# Altium PCB MatrixLantern.PcbDoc (part 2 of 2)
Units mm, origin at the board's own origin, x right, y up, seen from the top; angles counter-clockwise.
Board outline 100 x 100 mm, 2 copper layers (Top Layer, Bottom Layer); 106 components, 79 nets, 554 pads, 391 vias.
Unrouted connection lines stored in the file: 95.
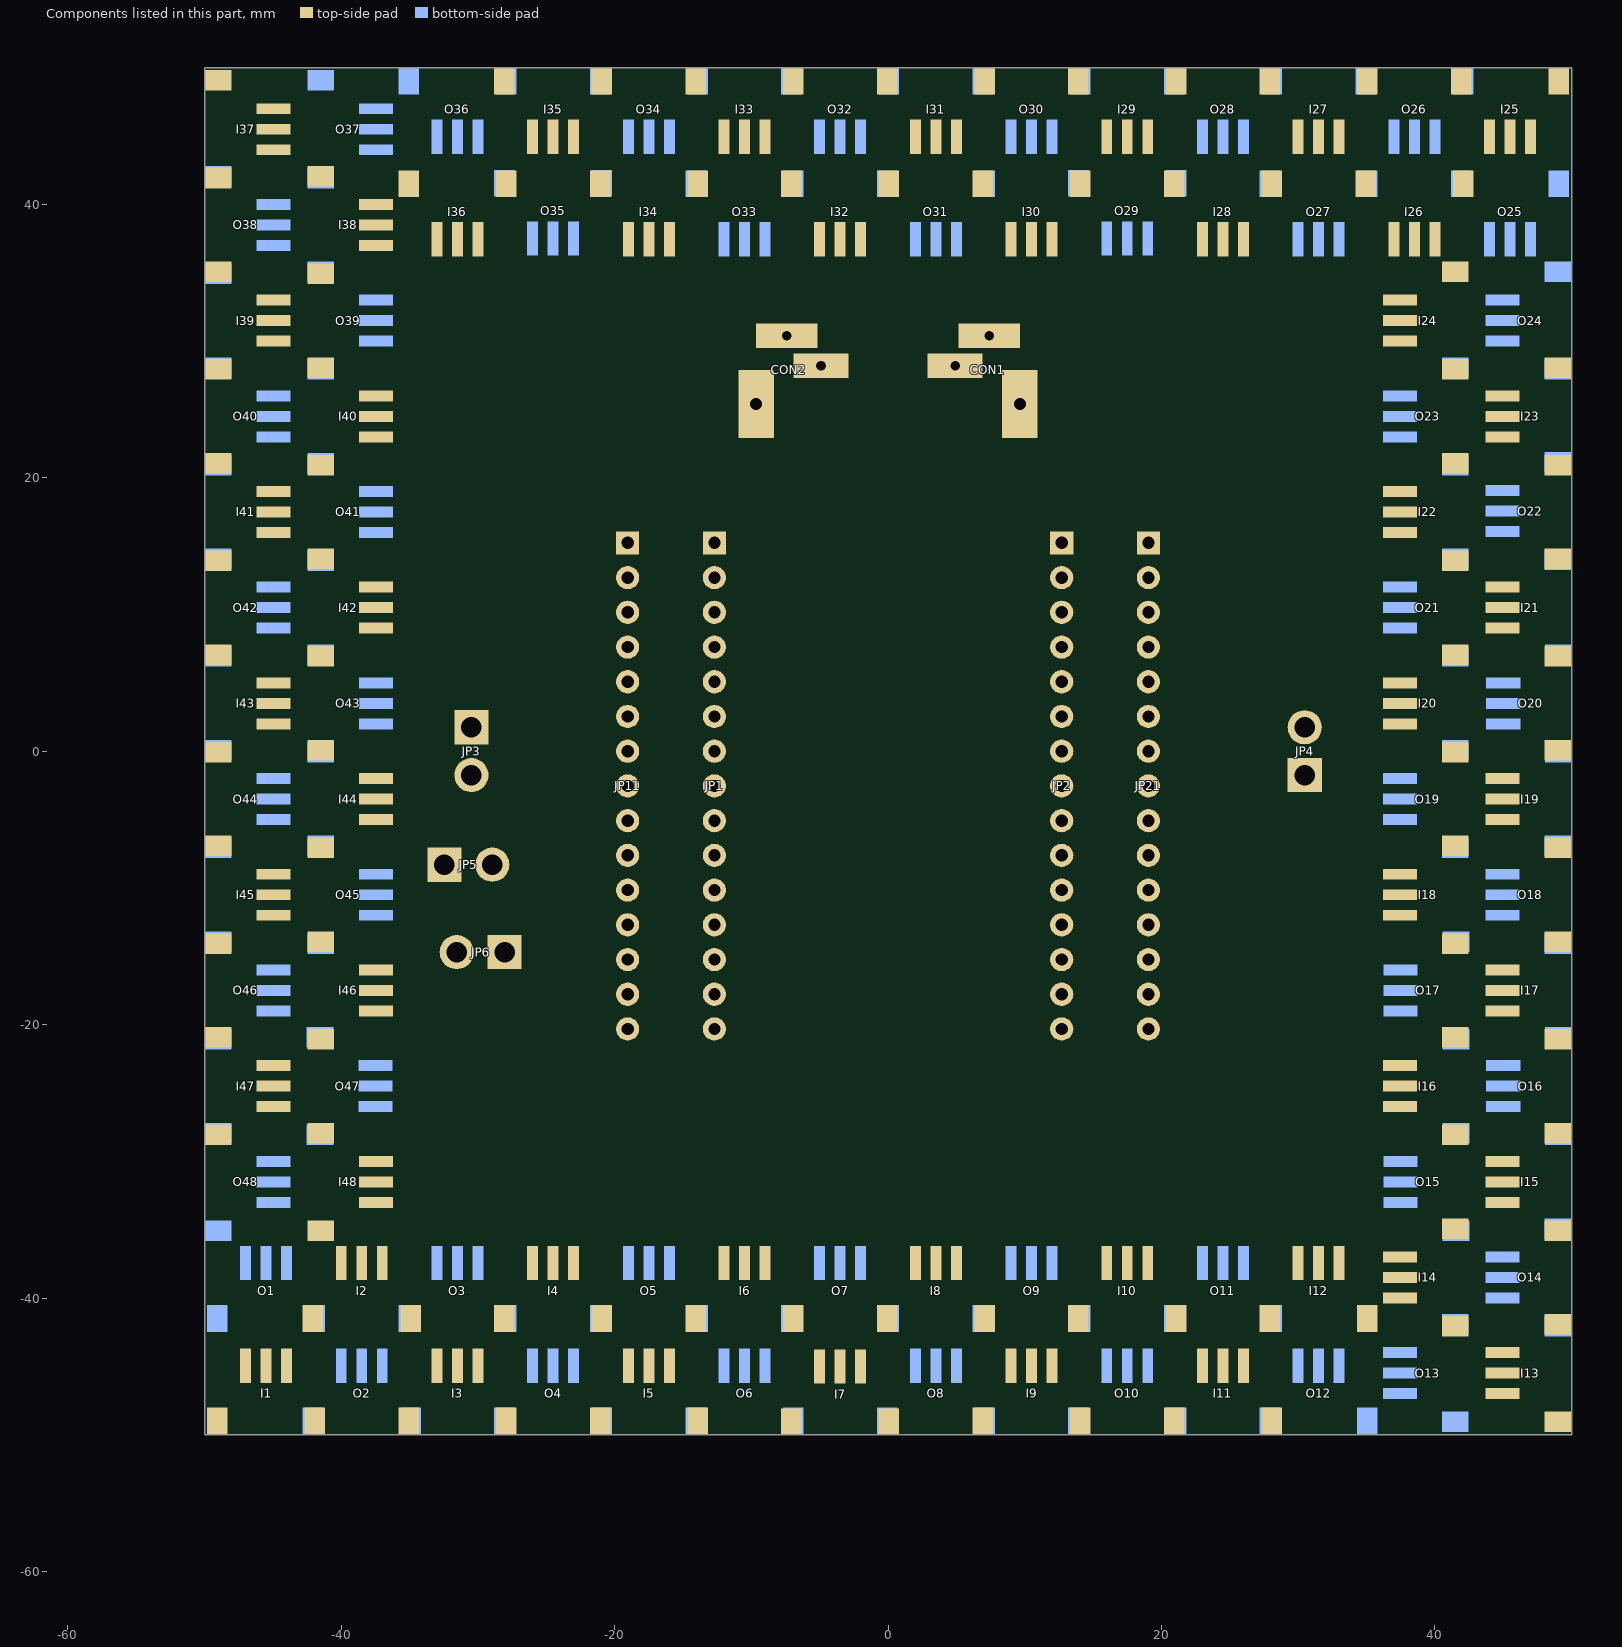
[diagram p2: the components of this part, seen from the top]

## Polygon pours and split planes (outlines as drawn) (continued)
Vin on Bottom Layer "Bottom Layer-Vin 48" (solid, pour order 580): 43.7,-25.2 46.2,-25.2 47.7,-26.7 47.7,-28.9 47.5,-29.1 46.4,-29.1 46.1,-28.8 46.1,-26.9 45.6,-26.4 43.7,-26.4
Vin on Bottom Layer "Bottom Layer-Vin 49" (solid, pour order 578): 34.2,-18.6 34.2,-13.9 34.5,-13.6 35.6,-13.6 35.8,-13.8 35.8,-18 36.4,-18.6 38.7,-18.6 38.7,-19.8 35.4,-19.8
Vin on Bottom Layer "Bottom Layer-Vin 50" (solid, pour order 510): 36.2,-32.6 36.2,-33.7 42.9,-40.4 46.2,-40.4 46.2,-39.5 45.9,-39.2 43.4,-39.2 38.7,-34.5 38.7,-32.6
Vin on Bottom Layer "Bottom Layer-Vin 51" (solid, pour order 508): 43.7,-39.2 46.2,-39.2 47.7,-40.7 47.7,-42.9 47.5,-43.1 46.4,-43.1 46.1,-42.8 46.1,-40.9 45.6,-40.4 43.7,-40.4
Vin on Bottom Layer "Bottom Layer-Vin 52" (solid, pour order 506): 34.2,-32.6 34.2,-27.9 34.5,-27.6 35.6,-27.6 35.8,-27.8 35.8,-32 36.4,-32.6 38.7,-32.6 38.7,-33.8 35.4,-33.8
Vin on Bottom Layer "Bottom Layer-Vin 53" (solid, pour order 498): 23.4,-36.2 22.3,-36.2 15.6,-42.9 15.6,-46.2 16.5,-46.2 16.8,-45.9 16.8,-43.4 21.5,-38.7 23.4,-38.7
Vin on Bottom Layer "Bottom Layer-Vin 54" (solid, pour order 496): 16.8,-43.7 16.8,-46.2 15.3,-47.7 13.1,-47.7 12.9,-47.5 12.9,-46.4 13.2,-46.1 15.1,-46.1 15.6,-45.6 15.6,-43.7
Vin on Bottom Layer "Bottom Layer-Vin 55" (solid, pour order 494): 23.4,-34.2 28.1,-34.2 28.4,-34.5 28.4,-35.6 28.2,-35.8 24,-35.8 23.4,-36.4 23.4,-38.7 22.2,-38.7 22.2,-35.4
Vin on Bottom Layer "Bottom Layer-Vin 56" (solid, pour order 486): 9.4,-36.25 8.3,-36.25 1.6,-42.95 1.6,-46.25 2.5,-46.25 2.8,-45.95 2.8,-43.45 7.5,-38.75 9.4,-38.75
Vin on Bottom Layer "Bottom Layer-Vin 57" (solid, pour order 484): 2.8,-43.75 2.8,-46.25 1.3,-47.75 -0.9,-47.75 -1.1,-47.55 -1.1,-46.45 -0.8,-46.15 1.1,-46.15 1.6,-45.65 1.6,-43.75
Vin on Bottom Layer "Bottom Layer-Vin 58" (solid, pour order 482): 9.4,-34.25 14.1,-34.25 14.4,-34.55 14.4,-35.65 14.2,-35.85 10,-35.85 9.4,-36.45 9.4,-38.75 8.2,-38.75 8.2,-35.45
Vin on Bottom Layer "Bottom Layer-Vin 59" (solid, pour order 474): -4.6,-36.2 -5.7,-36.2 -12.4,-42.9 -12.4,-46.2 -11.5,-46.2 -11.2,-45.9 -11.2,-43.4 -6.5,-38.7 -4.6,-38.7
Vin on Bottom Layer "Bottom Layer-Vin 60" (solid, pour order 472): -11.2,-43.7 -11.2,-46.2 -12.7,-47.7 -14.9,-47.7 -15.1,-47.5 -15.1,-46.4 -14.8,-46.1 -12.9,-46.1 -12.4,-45.6 -12.4,-43.7
Vin on Bottom Layer "Bottom Layer-Vin 61" (solid, pour order 470): -4.6,-34.2 0.1,-34.2 0.4,-34.5 0.4,-35.6 0.2,-35.8 -4,-35.8 -4.6,-36.4 -4.6,-38.7 -5.8,-38.7 -5.8,-35.4
Vin on Bottom Layer "Bottom Layer-Vin 62" (solid, pour order 462): -18.6,-36.2 -19.7,-36.2 -26.4,-42.9 -26.4,-46.2 -25.5,-46.2 -25.2,-45.9 -25.2,-43.4 -20.5,-38.7 -18.6,-38.7
Vin on Bottom Layer "Bottom Layer-Vin 63" (solid, pour order 460): -25.2,-43.7 -25.2,-46.2 -26.7,-47.7 -28.9,-47.7 -29.1,-47.5 -29.1,-46.4 -28.8,-46.1 -26.9,-46.1 -26.4,-45.6 -26.4,-43.7
Vin on Bottom Layer "Bottom Layer-Vin 64" (solid, pour order 458): -18.6,-34.2 -13.9,-34.2 -13.6,-34.5 -13.6,-35.6 -13.8,-35.8 -18,-35.8 -18.6,-36.4 -18.6,-38.7 -19.8,-38.7 -19.8,-35.4
Vin on Bottom Layer "Bottom Layer-Vin 65" (solid, pour order 100): -32.6,-34.2 -27.9,-34.2 -27.6,-34.5 -27.6,-35.6 -27.8,-35.8 -32,-35.8 -32.6,-36.4 -32.6,-38.7 -33.8,-38.7 -33.8,-35.4
Vin on Bottom Layer "Bottom Layer-Vin 66" (solid, pour order 98): -39.2,-43.7 -39.2,-46.2 -40.7,-47.7 -42.9,-47.7 -43.1,-47.5 -43.1,-46.4 -42.8,-46.1 -40.9,-46.1 -40.4,-45.6 -40.4,-43.7
Vin on Bottom Layer "Bottom Layer-Vin 67" (solid, pour order 96): -32.6,-36.2 -33.7,-36.2 -40.4,-42.9 -40.4,-46.2 -39.5,-46.2 -39.2,-45.9 -39.2,-43.4 -34.5,-38.7 -32.6,-38.7

## Other copper
Top Layer:
  pour cut-out: -46.7,-7.3
  pour cut-out: -46.7,-21.3
  pour cut-out: -46.7,-21.3
  pour cut-out: -46.7,6.7
  pour cut-out: -46.7,-7.3
  pour cut-out: -46.7,-7.3
  pour cut-out: -46.7,20.7
  pour cut-out: -46.7,6.7
  pour cut-out: -46.7,6.7
  pour cut-out: -46.7,34.7
  pour cut-out: -46.7,20.7
  pour cut-out: -46.7,20.7
  pour cut-out: -46.7,48.7
  pour cut-out: -46.7,34.7
  pour cut-out: -46.7,34.7
  pour cut-out: -7.3,46.7
  pour cut-out: -21.3,46.7
  pour cut-out: -21.3,46.7
  pour cut-out: 6.7,46.7
  pour cut-out: -7.3,46.7
  pour cut-out: -7.3,46.7
  pour cut-out: 20.7,46.75
  pour cut-out: 6.7,46.75
  pour cut-out: 6.7,46.75
  pour cut-out: 34.7,46.7
  pour cut-out: 20.7,46.7
  pour cut-out: 20.7,46.7
  pour cut-out: 48.7,46.7
  pour cut-out: 34.7,46.7
  pour cut-out: 34.7,46.7
  pour cut-out: 46.7,7.3
  pour cut-out: 46.7,21.3
  pour cut-out: 46.7,21.3
  pour cut-out: 46.7,-6.7
  pour cut-out: 46.7,7.3
  pour cut-out: 46.7,7.3
  pour cut-out: 46.75,-20.7
  pour cut-out: 46.75,-6.7
  pour cut-out: 46.75,-6.7
  pour cut-out: 46.75,-34.7
  pour cut-out: 46.75,-20.7
  pour cut-out: 46.75,-20.7
  pour cut-out: 46.7,-48.7
  pour cut-out: 46.7,-34.7
  pour cut-out: 46.7,-34.7
  pour cut-out: -46.7,-21.3
  pour cut-out: -48.1,-28
  pour cut-out: -46.7,-21.3
  pour cut-out: -46.7,-21.3
  pour cut-out: -21.3,46.7
  pour cut-out: -28,48.1
  pour cut-out: -21.3,46.7
  pour cut-out: -21.3,46.7
  pour cut-out: 46.7,21.3
  pour cut-out: 48.1,28
  pour cut-out: 46.7,21.3
  pour cut-out: 46.7,21.3
  pour cut-out: 21.3,-46.7
  pour cut-out: 28,-48.1
  pour cut-out: 21.3,-46.7
  pour cut-out: 21.3,-46.7
  pour cut-out: -46.7,48.7
  pour cut-out: 48.7,46.7
  pour cut-out: 46.7,-48.7
  pour cut-out: -48.1,-14
  pour cut-out: -46.7,-7.3
  pour cut-out: -48.1,0
  pour cut-out: -46.7,6.7
  pour cut-out: -48.1,14
  pour cut-out: -46.7,20.7
  pour cut-out: -48.1,28
  pour cut-out: -46.7,34.7
  pour cut-out: -48.1,42
  pour cut-out: -46.7,48.7
  pour cut-out: -14,48.1
  pour cut-out: -7.3,46.7
  pour cut-out: 0,48.1
  pour cut-out: 6.7,46.7
  pour cut-out: 14,48.1
  pour cut-out: 20.7,46.7
  pour cut-out: 28,48.1
  pour cut-out: 34.7,46.7
  pour cut-out: 42,48.1
  pour cut-out: 48.7,46.7
  pour cut-out: 48.1,14
  pour cut-out: 46.7,7.3
  pour cut-out: 48.1,0
  pour cut-out: 46.7,-6.7
  pour cut-out: 48.1,-14
  pour cut-out: 46.7,-20.7
  pour cut-out: 48.1,-28
  pour cut-out: 46.7,-34.7
  pour cut-out: 21.3,-46.7
  pour cut-out: 7.3,-46.7
  pour cut-out: 21.3,-46.7
  pour cut-out: -6.7,-46.7
  pour cut-out: 7.3,-46.7
  pour cut-out: -20.7,-46.7
  pour cut-out: -6.7,-46.7
  pour cut-out: -34.7,-46.7
  pour cut-out: -20.7,-46.7
  pour cut-out: 48.1,-42
  pour cut-out: 46.7,-48.7
  pour cut-out: 14,-48.1
  pour cut-out: 7.3,-46.7
  pour cut-out: 0,-48.15
  pour cut-out: -6.7,-46.75
  pour cut-out: -14,-48.1
  pour cut-out: -20.7,-46.7
  pour cut-out: -28,-48.1
  pour cut-out: -34.7,-46.7
  pour cut-out: -59.4,-61.65
  pour cut-out: -48.7,-46.7
  pour cut-out: -42,-48.1

## Silkscreen, mask and mechanical layers (free items; w line width, h text height)
Bottom Overlay:
  text "DCOUT" at -28.702,4.572 h0.91
  text "5V" at 31.496,4.318 h0.91
  text "DCIN" at -28.956,-5.334 h0.91
  text "GND" at 31.75,-5.588 h0.91
Mechanical 1:
  circle w0.254: c28,-28 r1.6
  circle w0.254: c-28,-28 r1.6
  circle w0.254: c-28,28 r1.6
  circle w0.254: c28,28 r1.6
  lines w0.1: -50,-50 50,-50 50,50 -50,50 -50,-50